# KiCad board arena_12-12_v8_ni.kicad_pcb (continued)
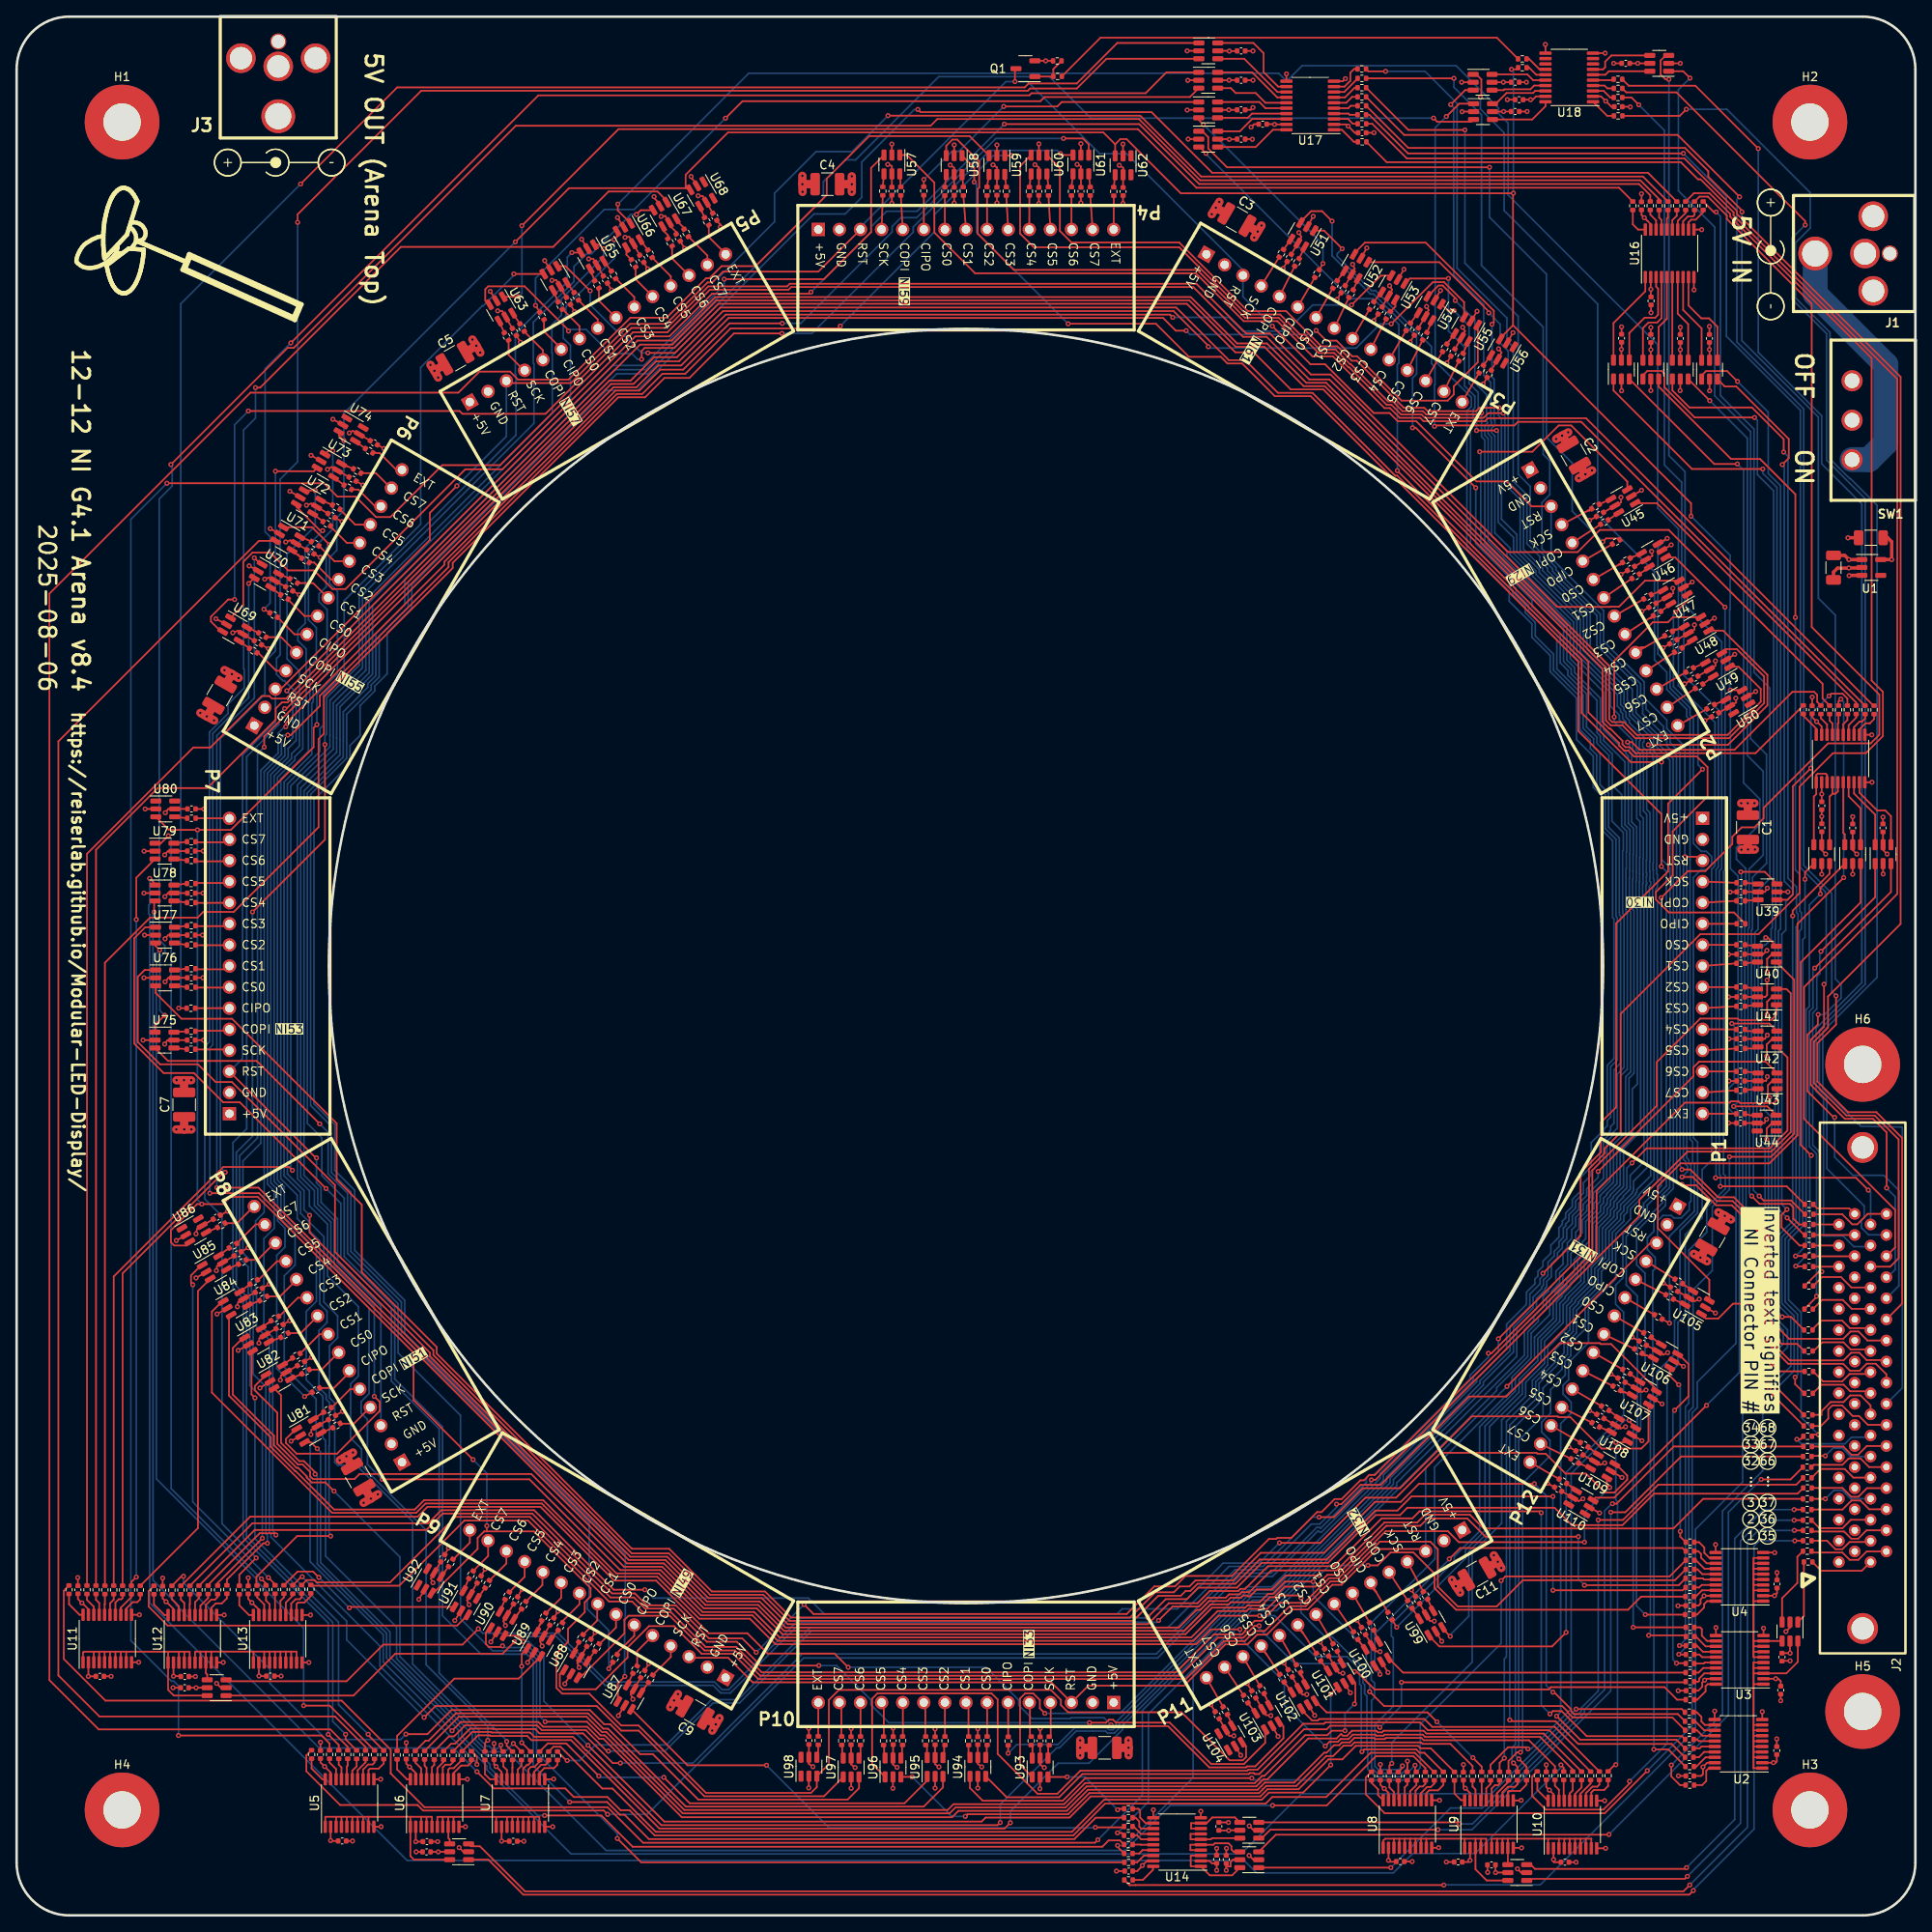
[diagram p0: board, top side]
## Routing (per net, layer and track width the routed paths; a pad name or vN(x,y) marks a point on that pad's centre or on a via; arc(x,y) is an arc through that point) (continued)
/Level Shifters/PAN5V.CS_0_P08: length 212.7
  Top w0.2: v1(35.94,53.13) 35.94,53.35 34.6,54.69 34.03,54.69 31.83,56.9 31.83,62.62 U82.3 ; R36.1 200.48,24.84 v1(187.75,24.84)
  Bottom w0.2: v1(187.75,24.84) 177.57,14.65 154.67,14.65 147.41,7.39 66.76,7.39 56.6,17.55 56.6,18 53.2,21.4 53.2,22.32 44.54,30.97 44.54,33.96 36.19,42.31 36.19,52.88 v1(35.94,53.13)
/Level Shifters/PAN5V.CS_0_P09: length 147
  Top w0.2: v1(149.6,34.87) 149.03,34.87 148.29,34.12 148.29,34.02 147.7,33.43 144.62,33.43 140.05,28.86 89.52,28.86 86.48,31.9 82.81,31.9 78.63,36.08 73.68,36.08 73.18,35.58 73.18,33.95 67.84,28.62 U88.3 ; R37.1 199.91,25.97 198.4,27.48 184.71,27.48 184.45,27.21 163.48,27.21 161.34,29.35 v1(161.08,29.35)
  Bottom w0.2: v1(161.08,29.35) 160.12,30.31 153.85,30.31 149.6,34.56 v1(149.6,34.87)
/Level Shifters/PAN5V.CS_0_P10: length 92.9
  Top w0.2: v1(164.13,22.63) 163.93,22.83 158.15,22.83 157.72,22.4 154.98,22.4 149.59,17.02 149.08,17.02 148.96,17.14 148.46,17.14 148.34,17.02 128.3,17.02 125.51,14.22 119.19,14.22 U94.3 ; 200.86,28.06 v1(166.72,28.06)
  Bottom w0.2: v1(166.72,28.06) 166.72,25.23 v1(164.13,22.63)
/Level Shifters/PAN5V.CS_0_P11: length 36.5
  Top w0.2: U100.3 166.91,29.23 R39.1
/Level Shifters/PAN5V.CS_0_P12: length 39.8
  Top w0.2: v1(199.6,60.82) 201.29,62.5 201.29,66.37 200.08,67.58 ; v1(199.84,30.36) 200.91,30.36
  Bottom w0.2: v1(199.6,60.82) 199.41,60.62 199.41,30.79 v1(199.84,30.36)
/Level Shifters/PAN5V.CS_1_P01: length 93.8
  Top w0.2: v1(206.22,91.33) 211.21,91.33 214,94.11 214,112.65 U40.1 ; v1(200.12,31.43) 200.14,31.41 200.96,31.41
  Bottom w0.2: v1(200.12,31.43) 201.32,32.63 201.32,60.67 201.83,61.19 201.83,75.32 204.15,77.63 204.15,85.33 206.22,87.4 v1(206.22,91.33)
/Level Shifters/PAN5V.CS_1_P02: length 137.9
  Top w0.2: U46.1 199.68,163.5 v1(205.68,157.5) ; R42.1 v1(200.19,32.48)
  Bottom w0.2: v1(200.19,32.48) 200.91,33.2 200.91,61.24 201.32,61.65 201.32,80.09 203.48,82.25 203.48,85.24 205.71,87.47 205.71,89.06 205.5,89.27 205.5,125.7 205.68,125.88 205.68,157.49 v1(205.68,157.5)
/Level Shifters/PAN5V.CS_1_P03: length 192
  Top w0.2: U52.1 171.29,199.03 177.24,193.09 v1(177.24,192.94) ; 200.83,33.72 v1(196.49,33.72)
  Bottom w0.2: v1(177.24,192.94) 178.61,191.57 178.61,189.3 179.57,188.34 179.57,172.6 181.42,170.75 181.42,164.49 182.98,162.93 182.98,162.93 183.72,162.19 183.72,161.9 189.05,156.57 189.05,152.45 193.92,147.59 193.92,146.27 194.56,145.62 194.56,144.6 197.46,141.7 197.46,140.66 199.04,139.09 199.04,126.7 199.46,126.28 199.46,87.51 198.53,86.57 198.53,85.48 197.12,84.07 197.12,82.36 196.33,81.57 196.33,80.16 197.28,79.22 197.28,77.88 196.98,77.59 196.98,62.6 196.69,62.31 196.69,33.91 v1(196.49,33.72)
/Level Shifters/PAN5V.CS_1_P04: length 233.6
  Top w0.2: U58.1 115.29,210.4 v1(115.29,208.68) ; R44.1 v1(194.62,34.68) ; v1(198.02,126.29) 198.02,132.59 188.03,142.58 188.03,150.95 166.04,172.93 165.77,172.93 155.8,182.9 151.48,182.9 147.55,186.84 145.78,186.84 144.98,187.64 141.14,187.64 137.16,191.62 v1(126.6,191.62)
  Bottom w0.2: v1(126.6,191.62) 115.57,202.65 115.57,208.4 v1(115.29,208.68) ; v1(198.02,126.29) 198.62,125.69 198.62,87.8 196.31,85.5 196.31,84.27 193.78,81.74 193.78,75.91 195.12,74.57 195.12,58.88 194.62,58.38 v1(194.62,34.68)
/Level Shifters/PAN5V.CS_1_P05: length 277.7
  Top w0.2: U64.1 66.08,198.55 v1(69.05,195.59) ; v1(198.03,138.85) 194.35,138.85 188.43,144.77 188.43,151.12 166.21,173.34 165.98,173.34 156.01,183.31 151.85,183.31 147.92,187.24 145.94,187.24 139.61,193.58 84.72,193.58 79.25,188.11 v1(76,188.11) ; R45.1 v1(196.09,36.21)
  Bottom w0.2: v1(76,188.11) 75.24,188.11 72.5,190.85 72.12,190.85 69.05,193.92 v1(69.05,195.59) ; v1(196.09,36.21) 195.02,37.27 195.02,58.13 195.52,58.63 195.52,64.51 196.06,65.04 196.06,77.29 195.04,78.31 195.04,82.38 196.72,84.06 196.72,84.36 198.12,85.77 198.12,86.74 199.02,87.63 199.02,90.84 199.06,90.89 199.06,126.11 198.03,127.14 v1(198.03,138.85)
/Level Shifters/PAN5V.CS_1_P06: length 286
  Top w0.2: v1(24.1,87.61) 29.12,87.61 49.37,67.36 49.37,67.11 73.7,42.78 78.12,42.78 83.1,37.8 89.44,37.8 92.58,34.66 139.93,34.66 142.05,36.78 142.5,36.78 143.57,37.85 145.75,37.85 146.15,38.25 147.42,38.25 147.68,38.51 148.18,38.51 148.28,38.41 148.48,38.41 149.31,39.25 151.12,39.25 152.8,40.93 v1(156.8,40.93) ; 29.39,162.67 v1(28.62,163.43) ; R46.1 195.58,38.38 194,36.8 173.3,36.8 170.7,39.4 170.7,41.16 168.16,43.7 165.42,43.7 163.86,42.14 v1(162.69,42.14)
  Bottom w0.2: v1(28.62,163.43) 28.62,146.56 24.1,142.04 v1(24.1,87.61) ; v1(156.8,40.93) 156.83,40.93 158.04,42.14 v1(162.69,42.14)
/Level Shifters/PAN5V.CS_1_P07: length 248.2
  Top w0.2: v1(184.96,50.44) 167.93,50.44 166.24,48.74 163.59,48.74 157.69,42.85 149.66,42.85 146.73,39.92 142.17,39.92 141.31,39.06 140.74,39.06 140.16,38.48 137.44,38.48 134.43,35.46 93.04,35.46 89.9,38.6 83.5,38.6 78.52,43.58 74.06,43.58 50.18,67.47 50.18,68.04 38.33,79.88 38.33,87.92 25.92,100.33 23.97,100.33 21.83,102.47 17.27,102.47 14.59,105.15 14.59,113 15.41,113.82 U76.1 ; v1(184.97,39.14) 200.59,39.14 R47.1
  Bottom w0.2: v1(184.97,39.14) 184.96,39.14 v1(184.96,50.44)
/Level Shifters/PAN5V.CS_1_P08: length 202.3
  Top w0.2: v1(188.02,45.6) 176.83,45.6 174.64,47.79 169.88,47.79 168.99,46.9 164.9,46.9 159,41 157.8,41 156.38,39.58 152.67,39.58 151.39,38.3 150.88,38.3 149.88,37.31 148.18,37.31 147.92,37.05 146.08,37.05 146.08,37.05 143.92,37.05 140.73,33.86 92.21,33.86 89.1,36.97 82.73,36.97 77.72,41.98 73.12,41.98 61.96,53.14 41.29,53.14 40.67,52.53 35.69,52.53 35.34,52.88 35.34,53.38 34.43,54.29 33.87,54.29 31.39,56.77 31.39,60.52 28.68,63.22 28.68,63.74 U82.1 ; v1(188.76,39.76) 200.11,39.76 R48.1
  Bottom w0.2: v1(188.02,45.6) 188.02,40.5 v1(188.76,39.76)
/Level Shifters/PAN5V.CS_1_P09: length 158.9
  Top w0.2: R49.1 199.65,40.36 181.36,40.36 178.2,37.2 173.5,37.2 171.1,39.6 171.1,44.09 170.19,45 164.13,45 159.33,40.2 158.17,40.2 155.2,37.23 153.26,37.23 150.27,34.24 149.07,34.24 147.86,33.03 145.35,33.03 140.78,28.46 89.29,28.46 86.25,31.5 82.47,31.5 79.15,34.83 76.13,34.83 73.55,32.25 73.55,31.05 69.73,27.23 65.77,27.23 65.4,27.59 65.4,29.03 U88.1
/Level Shifters/PAN5V.CS_1_P10: length 107.9
  Top w0.2: v1(148.71,16.53) 128.68,16.53 125.95,13.8 116.31,13.8 114.78,15.34 U94.1 ; v1(178.72,40.3) 179.24,40.81 199.02,40.81 200.96,42.76
  Bottom w0.2: v1(178.72,40.3) 178.72,32.75 168.99,23.02 168.99,17.78 167.52,16.31 148.94,16.31 v1(148.71,16.53)
/Level Shifters/PAN5V.CS_1_P11: length 48.4
  Top w0.2: v1(172.48,42.91) 173.8,44.23 200.58,44.23 R51.1 ; U100.1 164.15,29.4 v1(164.15,29.02)
  Bottom w0.2: v1(172.48,42.91) 172.48,42.87 163.51,33.9 163.51,29.65 v1(164.15,29.02)
/Level Shifters/PAN5V.CS_1_P12: length 21.8
  Top w0.2: R52.1 200.29,45.59 v1(200.29,46.23) ; v1(200.11,63.89) 199.03,64.96 U106.1
  Bottom w0.2: v1(200.11,63.89) 200.29,63.7 v1(200.29,46.23)
/Level Shifters/PAN5V.CS_2_P01: length 237.7
  Top w0.2: v1(71.16,12.16) 70.69,12.63 48.93,12.63 48.27,13.29 38.95,13.29 34.89,17.35 34.89,19.27 R53.1 ; v1(163.1,52.43) 163.59,52.43 195.38,84.22 195.38,86.17 201.16,91.95 211.25,91.95 213.6,94.3 213.6,111 213.07,111.53 U41.3
  Bottom w0.2: v1(71.16,12.16) 75.91,12.16 94.74,30.99 137.37,30.99 147.18,40.81 151.2,40.81 156.66,46.27 156.75,46.27 156.85,46.17 157.13,46.17 163.1,52.14 v1(163.1,52.43)
/Level Shifters/PAN5V.CS_2_P02: length 387
  Top w0.2: U47.3 196.05,160.69 192.92,157.56 191.93,157.56 191.9,157.53 185.44,157.53 158.05,184.92 155.62,184.92 150.49,190.05 147.65,190.05 141.66,196.04 93.25,196.04 92.93,195.72 83.47,195.72 78.35,190.6 74.21,190.6 58.21,174.6 51.25,174.6 45,168.35 43.27,168.35 40.81,170.81 38.62,170.81 37.01,172.42 v1(18.09,172.42) ; R54.1 37.68,20.69 36.72,21.66 v1(19.49,21.66)
  Bottom w0.2: v1(18.09,172.42) 13.75,168.08 13.75,33.09 18.64,28.2 18.92,28.2 19.49,27.63 v1(19.49,21.66)
/Level Shifters/PAN5V.CS_2_P03: length 289.7
  Top w0.2: v1(37.51,21.79) 38.78,20.52 R55.1 ; v1(139.19,192.39) 138.87,192.72 85.37,192.72 79.75,187.1 77,187.1 74.28,184.38 71.58,184.38 32.49,145.29 v1(32.26,145.29) ; U53.3 164.25,197.42 v1(160.71,193.88)
  Bottom w0.2: v1(139.19,192.39) 145.98,192.39 147.64,190.73 152.89,190.73 156.05,193.88 v1(160.71,193.88) ; v1(37.51,21.79) 37.51,35.22 27.28,45.46 27.28,74.27 26.05,75.5 26.05,93.05 27.7,94.7 27.7,139.51 31.59,143.4 31.59,144.62 v1(32.26,145.29)
/Level Shifters/PAN5V.CS_2_P04: length 309.3
  Top w0.2: U59.3 114.73,214.21 102.65,214.21 97.53,209.1 97.53,207.13 88.96,198.56 84.87,198.56 83.41,197.1 83,197.1 78.25,192.35 73.89,192.35 66.45,184.9 60.36,184.9 59.4,185.86 55.72,185.86 53.19,183.33 28.15,183.33 3.95,159.13 3.95,28.32 9.88,22.39 37.76,22.39 39.86,20.29 R56.1
/Level Shifters/PAN5V.CS_2_P05: length 204.2
  Top w0.2: v1(28.4,120.8) 37.12,129.52 v1(37.12,140.97) ; U65.3 v1(66.85,200.19) ; v1(39.61,21.8) 39.61,21.2 R57.1
  Bottom w0.2: v1(28.4,120.8) 28.4,93.8 26.45,91.85 26.45,75.76 27.68,74.53 27.68,45.67 38.06,35.29 38.06,23.35 v1(39.61,21.8) ; v1(66.85,200.19) 66.3,199.64 66.3,196.66 60.04,190.41 60.04,185.58 60.12,185.5 60.12,178.22 41.24,159.34 41.24,150.51 37.32,146.59 37.32,142.21 37.12,142.01 v1(37.12,140.97)
/Level Shifters/PAN5V.CS_2_P06: length 189.6
  Top w0.2: U71.3 29.17,165.49 5.03,141.35 5.03,28.89 9.97,23.95 38.32,23.95 42.01,20.26 R58.1
/Level Shifters/PAN5V.CS_2_P07: length 110.3
  Top w0.2: v1(34.56,25.25) 37.69,25.25 R59.1 ; U77.3 16.72,116.72 v1(17.22,116.22)
  Bottom w0.2: v1(34.56,25.25) 34.56,34.58 28.87,40.27 28.87,40.52 16.82,52.56 16.82,115.82 v1(17.22,116.22)
/Level Shifters/PAN5V.CS_2_P08: length 54.5
  Top w0.2: 28.28,67.78 28.28,62.72 v1(28.7,62.3) ; v1(42.33,21.81) 42.33,21.71 R60.1
  Bottom w0.2: v1(42.33,21.81) 38.76,25.38 38.76,35.3 28.7,45.36 v1(28.7,62.3)
/Level Shifters/PAN5V.CS_2_P09: length 23.1
  Top w0.2: U89.3 60.44,28.51 52.71,28.51 45.81,21.61 R61.1
/Level Shifters/PAN5V.CS_2_P10: length 72.3
  Top w0.2: U95.3 111.53,15.42 109.21,13.1 80.58,13.1 71.2,22.48 70.63,22.48 68.79,24.32 52.88,24.32 49.6,21.04 49.24,21.04 R62.1
/Level Shifters/PAN5V.CS_2_P11: length 128
  Top w0.2: R63.1 53.24,23.92 68.62,23.92 70.47,22.07 71.01,22.07 80.38,12.7 112.1,12.7 112.79,13.39 126.11,13.39 128.65,15.93 149.08,15.93 149.53,16.39 149.94,16.79 150.22,16.79 155.13,21.7 157.8,21.7 158.33,22.23 v1(159.93,22.23) ; U101.3 161.18,27.92 161.18,25.56 v1(161.07,25.46)
  Bottom w0.2: v1(161.07,25.46) 159.93,24.31 v1(159.93,22.23)
/Level Shifters/PAN5V.CS_2_P12: length 172.6
  Top w0.2: 197.42,63.33 191.97,68.78 190.72,68.78 190.6,68.9 185.78,68.9 179.36,62.47 174.85,62.47 164.22,51.83 161.81,51.83 159.49,49.51 v1(158.91,49.51) ; v1(71.25,19.78) 71.06,19.78 68.52,22.31 63.22,22.31 62.67,22.86 57.5,22.86 57.47,22.88 54,22.88 52.67,21.56 52.06,21.56 R64.1
  Bottom w0.2: v1(71.25,19.78) 78.05,19.78 83.84,25.57 87.02,25.57 95.72,34.27 139.34,34.27 146.69,41.61 150.38,41.61 155.88,47.11 156.89,47.11 158.91,49.14 v1(158.91,49.51)
/Level Shifters/PAN5V.CS_3_P01: length 211.8
  Top w0.2: v1(177.19,67.68) 177.56,67.68 189.7,79.82 189.7,89.71 197.46,97.47 197.46,102.73 202.7,107.97 207.2,107.97 207.45,107.77 211.25,107.8 211.88,108.48 U41.1 ; v1(72.69,18.33) 71.78,18.33 68.21,21.91 62.96,21.91 62.44,22.43 57.36,22.43 57.31,22.48 54.59,22.48 52.77,20.66 52.3,20.66 R65.1
  Bottom w0.2: v1(72.69,18.33) 81.43,18.33 94.57,31.48 137.2,31.48 146.94,41.21 151.04,41.21 156.54,46.71 156.87,46.71 156.99,46.6 162.5,52.11 162.5,52.18 162.5,52.68 162.85,53.03 163.41,53.03 174.98,64.6 174.98,65.01 177.19,67.22 v1(177.19,67.68)
/Level Shifters/PAN5V.CS_3_P02: length 261.7
  Top w0.2: v1(199.72,156.9) 201.14,158.32 U47.1 ; v1(118.42,11.18) 118.1,10.86 77.62,10.86 68.6,19.88 68.54,19.88 68.19,20.23 68.19,20.29 66.97,21.51 62.33,21.51 61.83,22.01 57.21,22.01 57.14,22.08 54.86,22.08 R66.1 ; v1(183.76,77.29) 188.3,81.83 188.3,89.45 190.74,91.89 190.74,95.47 192.58,97.31 192.58,119.43 198.83,125.69 198.83,133.84 v1(202.97,137.99)
  Bottom w0.2: v1(202.97,137.99) 202.43,138.53 202.43,144.98 199.47,147.93 199.47,156.65 v1(199.72,156.9) ; v1(183.76,77.29) 183.86,77.19 183.86,77.11 183.42,76.66 183.42,76.04 182.18,74.8 182.18,73.33 179.8,70.96 179.8,67.99 176.18,64.37 176.18,64.03 164.95,52.8 164.95,52.25 151.45,38.75 148.47,38.75 132.76,23.04 132.76,22.54 132.17,21.95 131.34,21.95 131.1,22.19 129.58,22.19 129.58,22.19 127.56,22.19 125.54,20.17 125.22,20.17 118.42,13.37 v1(118.42,11.18)
/Level Shifters/PAN5V.CS_3_P03: length 306.2
  Top w0.2: v1(119.64,11.15) 118.94,10.46 77.39,10.46 66.74,21.11 61.97,21.11 61.47,21.6 57.05,21.6 56.98,21.68 55.56,21.68 R67.1 ; v1(172.38,197.07) 167.73,197.07 U53.1
  Bottom w0.2: v1(119.64,11.15) 119.64,12.56 125.41,18.32 129.11,18.32 133.16,22.37 133.16,22.87 148.63,38.35 151.62,38.35 155.87,42.6 155.87,42.6 165.36,52.09 165.36,52.63 176.58,63.86 176.58,64.2 180.21,67.82 180.21,70.79 181.86,72.44 181.86,72.44 182.58,73.17 182.58,74.44 183.62,75.48 183.62,75.67 183.82,75.87 183.82,76.5 184.31,76.99 184.36,77.04 184.36,78.63 185.12,79.38 185.12,79.95 185.69,80.52 185.69,81.09 185.89,81.29 185.89,81.29 186.22,81.62 186.22,82.75 186.49,83.03 186.49,83.25 186.89,83.65 186.89,84.38 187.69,85.18 187.69,86.02 188.64,86.96 188.64,88.2 189.5,89.06 189.5,89.51 190.59,90.6 190.59,93.49 191.1,94.01 191.1,94.68 191.51,95.08 191.51,95.71 191.91,96.11 191.91,102.18 192.71,102.98 192.71,120.13 192.57,120.27 192.57,120.58 192.55,120.6 192.55,129.55 191.26,130.84 191.26,134.94 190.23,135.97 190.23,139.71 189.46,140.48 189.46,141.49 188.2,142.76 188.2,146.73 185.03,149.9 185.03,151.84 182.83,154.04 182.83,155.65 181.64,156.85 181.64,157.55 180.11,159.08 180.11,159.56 179.7,159.96 179.7,160.44 175.04,165.1 175.04,179.35 175.36,179.67 175.36,181.31 175.56,181.52 175.56,182.9 174.32,184.14 174.32,188.82 172.38,190.75 v1(172.38,197.07)
/Level Shifters/PAN5V.CS_3_P04: length 257.9
  Top w0.2: v1(119.77,211.87) 119.77,211.88 U59.1 ; R68.1 55.41,19.1 v1(55.41,18.17) ; v1(99.16,191.34) 98.88,191.06 85.96,191.06 80.5,185.6 77.75,185.6 75.32,183.17 72.27,183.17 52,162.9 52,162.33 36.5,146.83 36.5,145.6 33,142.1 v1(32.64,142.1)
  Bottom w0.2: v1(32.64,142.1) 31.99,142.1 31.89,142 31.89,139.77 29.8,137.68 29.8,84.63 28.78,83.61 28.78,75.14 28.88,75.03 28.88,70.82 30.43,69.28 30.43,46.09 30.62,45.9 30.62,45.55 43.74,32.44 43.74,30.02 55.41,18.35 v1(55.41,18.17) ; v1(99.16,191.34) 110.49,202.67 110.49,204.75 117.61,211.87 v1(119.77,211.87)
/Level Shifters/PAN5V.CS_3_P05: length 207.9
  Top w0.2: v1(56.73,21.08) 56.39,20.74 R69.1 ; v1(70.67,200.64) 70.17,201.14 U65.1
  Bottom w0.2: v1(56.73,21.08) 56.73,22.75 49.3,30.17 49.3,46.38 41.53,54.15 41.53,56.15 40.21,57.46 40.21,64 41.15,64.93 41.15,73.28 37.43,76.99 37.43,83.22 35.25,85.4 35.25,87.25 33.8,88.7 33.8,136.09 38.12,140.41 38.12,141.87 38.13,141.88 38.13,145.97 42.04,149.89 42.04,158.39 64.49,180.84 64.49,188.07 64.44,188.12 64.44,191.51 65.59,192.66 65.59,194.62 70.67,199.7 v1(70.67,200.64)
/Level Shifters/PAN5V.CS_3_P06: length 169.3
  Top w0.2: v1(58.3,20.51) 58.3,20.01 R70.1 ; v1(37.67,165.02) 35.56,167.13 U71.1
  Bottom w0.2: v1(37.67,165.02) 37.27,164.62 37.27,159.96 36.4,159.09 36.4,158.18 37.38,157.2 37.38,149.45 35.71,147.77 35.71,146.11 35.54,145.94 35.54,139.79 32.2,136.45 32.2,89.04 34.19,87.05 34.19,84.52 37,81.71 37,73.84 38.65,72.19 38.65,69.55 37.67,68.57 37.67,62.32 38.3,61.68 38.3,54.55 38.65,54.2 40.91,54.2 47.67,47.44 47.67,30.26 55.65,22.28 55.65,21.3 56.57,20.38 56.91,20.38 57.2,20.09 57.88,20.09 v1(58.3,20.51)
/Level Shifters/PAN5V.CS_3_P07: length 123.2
  Top w0.2: U77.1 15.49,118.97 14.16,117.64 14.16,104.96 17.7,101.41 21.35,101.41 24.87,97.89 26.87,97.89 v1(37.26,87.51) ; v1(59.01,20.94) 59.01,20.43 R71.1
  Bottom w0.2: v1(37.26,87.51) 39.04,85.72 39.04,79.15 45.12,73.07 45.12,64.33 50.87,58.58 50.87,29.17 59.01,21.04 v1(59.01,20.94)
/Level Shifters/PAN5V.CS_3_P08: length 69.1
  Top w0.2: v1(38.21,51.08) 37.17,52.13 35.53,52.13 34.94,52.72 34.94,52.84 33.89,53.89 33.7,53.89 30.98,56.61 30.98,57.74 26.03,62.7 26.03,68.3 27.28,69.56 ; R72.1 v1(59.81,20.7)
  Bottom w0.2: v1(59.81,20.7) 58.8,19.69 56.7,19.69 55.25,21.13 55.25,22.05 46.15,31.15 46.15,43.15 v1(38.21,51.08)
/Level Shifters/PAN5V.CS_3_P09: length 13.1
  Top w0.2: v1(60.82,20.79) 60.82,20.79 R73.1 ; v1(60.82,30) 60.82,31.48 U89.1
  Bottom w0.2: v1(60.82,30) v1(60.82,20.79)
/Level Shifters/PAN5V.CS_3_P10: length 51.2
  Top w0.2: 109.63,16.23 106.9,13.5 81.04,13.5 v1(77.92,16.62) ; R74.1 63.95,20.7 66.17,20.7 v1(70.09,16.78)
  Bottom w0.2: v1(77.92,16.62) 70.26,16.62 v1(70.09,16.78)
/Level Shifters/PAN5V.CS_3_P11: length 111.7
  Top w0.2: v1(158.21,18.11) 154.88,14.78 150.77,14.78 149.91,13.92 130.92,13.92 127.05,10.05 76.96,10.05 71.74,15.27 70.51,15.27 65.48,20.3 64.62,20.3 R75.1 ; U101.1 v1(158.21,26.63)
  Bottom w0.2: v1(158.21,26.63) 158.21,18.12 v1(158.21,18.11)
/Level Shifters/PAN5V.CS_3_P12: length 155.3
  Top w0.2: R76.1 66.2,18.64 v1(66.29,18.64) ; v1(156.81,47.95) 158.59,47.95 162.07,51.43 166.56,51.43 175.21,60.08 185.54,60.08 185.64,59.98 187.06,59.98 190.83,56.2 195.6,56.2 196.47,57.07 U107.1
  Bottom w0.2: v1(156.81,47.95) 155.99,47.95 150.05,42.01 145.95,42.01 138.61,34.67 95.55,34.67 86.86,25.97 83.68,25.97 78.22,20.52 69.68,20.52 67.8,18.64 v1(66.29,18.64)
/Level Shifters/PAN5V.CS_4_P01: length 140.9
  Top w0.2: U42.3 211.01,107.37 v1(206.5,107.37) ; v1(196.33,17.42) 191.2,12.3 164.71,12.3 162.42,14.58 162.42,16.6 R77.1
  Bottom w0.2: v1(196.33,17.42) 201.72,22.82 201.72,60.51 202.34,61.13 202.34,64.21 207,68.87 207,96.27 206.1,97.17 206.1,99.55 206.8,100.25 206.8,107.08 v1(206.5,107.37)
/Level Shifters/PAN5V.CS_4_P02: length 160.3
  Top w0.2: v1(165.56,18.29) 165.28,18.01 R78.1 ; 202.74,156.3 199.42,156.3 198.81,155.68 196.99,155.68 192.34,151.03 v1(192.34,144.27)
  Bottom w0.2: v1(192.34,144.27) 192.34,143.7 194.57,141.47 194.57,140.18 195.05,139.7 195.05,132.07 195.45,131.68 195.45,127.41 195.41,127.37 195.41,125.38 195.4,125.38 195.4,124.41 195.36,124.37 195.36,121.77 195.38,121.75 195.38,121.44 195.52,121.3 195.52,94.38 193.46,92.32 193.46,88.04 193.46,87.76 193.3,87.6 192.25,86.55 192.25,86.41 191.89,86.05 191.89,85.61 191.85,85.57 191.85,85.44 191.49,85.08 191.49,84.43 190.11,83.05 190.11,79.83 188.73,78.45 188.73,76.24 186.83,74.34 186.83,74.15 186.19,73.51 186.19,71.35 183.94,69.1 183.94,66.44 181.68,64.17 181.68,62.52 178.79,59.63 178.79,47.2 175.24,43.65 175.24,30.49 165.56,20.81 v1(165.56,18.29)
/Level Shifters/PAN5V.CS_4_P03: length 207.9
  Top w0.2: v1(173.2,194.42) 173.2,194.72 171.69,196.23 171.18,196.23 169.9,194.95 ; R79.1 166.84,17.77 v1(166.84,18)
  Bottom w0.2: v1(166.84,18) 166.39,17.55 163.94,17.55 163.53,17.97 163.53,22.95 165.74,25.16 165.74,33.4 165.51,33.63 165.51,35.09 173.08,42.66 173.08,43.2 176.13,46.25 176.13,58.82 180.43,63.12 180.43,64.63 182.74,66.94 182.74,69.6 184.99,71.85 184.99,74.01 185.63,74.65 185.63,74.84 186.63,75.84 186.63,76.52 187.53,77.41 187.53,78.95 188.5,79.92 188.5,81.06 188.9,81.47 188.9,83.55 190.29,84.93 190.29,85.58 190.65,85.94 190.65,86.65 192.1,88.1 192.25,88.25 192.25,92.82 193.72,94.28 193.72,100.95 194.32,101.56 194.32,120.8 194.18,120.94 194.18,121.25 194.16,121.27 194.16,124.87 194.2,124.91 194.2,125.88 194.2,125.88 194.2,127.87 194.24,127.91 194.24,130.7 193.64,131.3 193.64,138.87 191.07,141.44 191.07,142.16 190.67,142.56 190.67,146.54 187.56,149.64 187.56,150.21 186.64,151.13 186.64,155.29 181.31,160.62 181.31,161.19 180.56,161.94 180.56,161.94 179.01,163.49 179.01,163.63 177.16,165.48 177.16,177.79 176.76,178.19 176.76,179.35 177.12,179.71 177.12,179.71 176.97,179.86 176.97,183.1 175.56,184.51 175.56,192.06 v1(173.2,194.42)
/Level Shifters/PAN5V.CS_4_P04: length 265.2
  Top w0.2: v1(176.36,180.9) 176.16,180.7 175.23,180.7 175.23,180.7 169.71,180.7 169.31,181.1 166.85,181.1 165.68,182.27 165.11,182.27 160.62,186.77 160.52,186.77 158.78,188.51 156.91,188.51 155.1,190.32 154.53,190.32 152.11,192.74 148.06,192.74 139.98,200.82 122.47,200.82 120.81,202.48 120.81,210.6 U60.3 ; 167.44,17.3 v1(167.44,18.57)
  Bottom w0.2: v1(167.44,18.57) 167.44,17.74 166.82,17.11 163.8,17.11 163.12,17.79 163.12,25.87 163.49,26.24 163.49,27.96 163.09,28.36 163.09,35.24 170.76,42.91 170.76,44.29 170.71,44.34 170.71,53.97 180.03,63.29 180.03,64.81 182.34,67.11 182.34,70.08 184.59,72.33 184.59,74.18 185.22,74.82 185.22,75 185.83,75.61 185.83,75.67 186.17,76.01 186.17,77.2 187.13,78.15 187.13,79.69 188.1,80.66 188.1,81.8 188.5,82.2 188.5,83.71 189.89,85.1 189.89,85.75 190.24,86.1 190.24,86.81 191.85,88.42 191.85,93.02 193.11,94.28 193.11,101.07 193.92,101.87 193.92,120.63 193.78,120.77 193.78,121.08 193.76,121.1 193.76,126.01 193.8,126.05 193.8,128.04 193.84,128.08 193.84,130.54 193.24,131.14 193.24,134.94 192.11,136.07 192.11,139.83 190.67,141.28 190.67,141.99 190.27,142.39 190.27,146.29 189.51,147.05 189.51,147.13 187.16,149.48 187.16,150.05 186.24,150.97 186.24,155.13 180.91,160.46 180.91,161.02 180.16,161.77 180.16,161.77 176.76,165.17 176.76,177.63 176.36,178.03 176.36,180.9 v1(176.36,180.9)
/Level Shifters/PAN5V.CS_4_P05: length 324
  Top w0.2: v1(44.03,52.5) 61.74,52.5 72.66,41.58 77.52,41.58 82.57,36.53 88.79,36.53 91.87,33.45 141.41,33.45 144.6,36.64 148.09,36.64 148.35,36.9 150.56,36.9 152.18,38.52 154.34,38.52 v1(154.63,38.23) ; v1(71.94,201.75) 72.28,202.09 U66.3 ; 168.36,17.43 v1(168.36,18.07)
  Bottom w0.2: v1(44.03,52.5) 42.24,54.29 42.24,59.7 41.48,60.45 41.48,61.86 42.43,62.81 42.43,73.11 37.83,77.71 37.83,83.47 35.85,85.45 35.85,87.25 34.2,88.9 34.2,135.72 38.53,140.04 38.53,141.71 38.53,141.71 38.53,145.68 42.44,149.6 42.44,158.05 66.68,182.28 66.68,189.02 65.82,189.89 65.82,192.23 66.13,192.55 66.13,193.67 71.94,199.48 v1(71.94,201.75) ; v1(168.36,18.07) 167,16.71 163.56,16.71 162.66,17.61 162.66,19.87 162.56,19.96 162.56,26.42 162.29,26.7 162.29,27.19 162.29,27.2 162.29,27.8 162.09,28 162.09,29.83 158.39,33.53 157.56,33.53 154.63,36.45 v1(154.63,38.23)
/Level Shifters/PAN5V.CS_4_P06: length 290.2
  Top w0.2: v1(36.85,166.72) 36.55,166.72 33.67,169.59 U72.3 ; v1(151.22,13.24) 157.73,13.24 163.66,19.17 168.17,19.17 169.6,17.73 R82.1
  Bottom w0.2: v1(151.22,13.24) 138.89,13.24 133.47,7.82 70.96,7.82 59.54,19.24 56.58,19.24 54.85,20.97 54.85,21.8 45.75,30.91 45.75,34.7 37.2,43.25 37.2,57.17 36.86,57.51 36.86,62.49 34.86,64.49 34.86,72.7 36.1,73.94 36.1,80.16 32.22,84.04 32.22,87.71 32.22,87.72 31.4,88.54 31.4,137.01 33.5,139.11 33.5,139.5 34.45,140.46 34.45,145.99 34.86,146.39 34.86,152.48 33.86,153.47 33.86,154.69 34.73,155.56 34.73,164.6 v1(36.85,166.72)
/Level Shifters/PAN5V.CS_4_P07: length 253.9
  Top w0.2: 170.64,17.27 168.34,19.57 162.99,19.57 157.68,14.25 151.17,14.25 150.38,13.46 131.04,13.46 127.21,9.62 76.82,9.62 73.78,12.66 72.71,12.66 71.13,14.25 67.08,14.25 66.05,15.29 57.44,15.29 v1(55.42,17.3) ; v1(16.56,120.8) 16.56,122.02
  Bottom w0.2: v1(16.56,120.8) 16.42,120.66 16.42,40.36 19.22,37.55 19.22,37.35 36.43,20.15 52.58,20.15 v1(55.42,17.3)
/Level Shifters/PAN5V.CS_4_P08: length 184.4
  Top w0.2: v1(149.64,36.08) 144.7,36.08 141.68,33.05 91.65,33.05 88.57,36.13 82.37,36.13 77.33,41.17 72.21,41.17 63.4,49.99 49.06,49.99 47.93,48.87 38.22,48.87 33.6,53.49 33.54,53.49 30.58,56.44 30.58,57.56 25.57,62.58 25.57,72.01 ; v1(161.97,19.71) 162.24,19.98 168.51,19.98 168.91,19.58 169.48,19.58 R84.1
  Bottom w0.2: v1(161.97,19.71) 161.89,19.79 161.89,27.36 161.89,27.36 161.89,27.63 161.69,27.83 161.69,29.65 160.18,31.15 156.38,31.15 151.46,36.08 v1(149.64,36.08)
/Level Shifters/PAN5V.CS_4_P09: length 131.9
  Top w0.2: v1(60.99,32.97) 60.29,33.67 U90.3 ; R85.1 170.26,20.12 169.01,20.12 168.71,20.41 161.23,20.41 159.6,18.78 157.93,18.78 154.33,15.18 150.6,15.18 149.74,14.32 129.32,14.32 126.77,11.78 116.66,11.78 116.18,11.3 77.97,11.3 v1(68.79,20.48)
  Bottom w0.2: v1(60.99,32.97) 61.63,32.97 63.47,31.12 63.47,25.79 v1(68.79,20.48)
/Level Shifters/PAN5V.CS_4_P10: length 76.4
  Top w0.2: R86.1 175.28,17.98 172.62,20.65 169.28,20.65 169.1,20.83 161.08,20.83 160.68,20.43 159.74,20.43 158.5,19.19 157.67,19.19 154.07,15.59 150.44,15.59 150.03,15.18 149.58,14.73 129.15,14.73 126.6,12.18 114.47,12.18 v1(114.21,11.92) ; U96.3 v1(107.82,16.68)
  Bottom w0.2: v1(114.21,11.92) 112.57,11.92 v1(107.82,16.68)
/Level Shifters/PAN5V.CS_4_P11: length 24
  Top w0.2: U102.3 157.72,24.44 169.86,24.44 v1(171,23.3) ; v1(175.32,18.98) 176.38,17.92 R87.1
  Bottom w0.2: v1(171,23.3) 171,23.3 v1(175.32,18.98)
/Level Shifters/PAN5V.CS_4_P12: length 52.7
  Top w0.2: U108.3 194.14,59.48 v1(194.14,59.61) ; v1(181.95,20.05) 181.75,20.25 179.57,20.25 177.46,18.13 R88.1
  Bottom w0.2: v1(194.14,59.61) 193.59,59.61 187.15,53.17 187.15,24.88 182.32,20.05 v1(181.95,20.05)
/Level Shifters/PAN5V.CS_5_P01: length 110.8
  Top w0.2: R89.1 178.54,18.37 v1(179.11,18.93) ; v1(194.49,90.59) 196.25,92.35 211.06,92.35 213.2,94.49 213.2,103.29 U42.1
  Bottom w0.2: v1(179.11,18.93) 179.11,30.87 179.36,31.12 179.36,59.47 182.48,62.59 182.48,64.41 184.34,66.27 184.34,68.39 186.6,70.64 186.6,73.35 187.23,73.98 187.23,74.17 189.19,76.13 189.19,78.19 190.51,79.51 190.51,82.88 191.89,84.27 191.89,84.92 192.3,85.32 192.3,85.89 192.66,86.25 192.66,86.38 193.71,87.43 193.71,87.43 193.86,87.59 193.86,87.87 193.86,89.96 v1(194.49,90.59)